# KiCad board IO_SDR_1.1.kicad_pcb (continued)
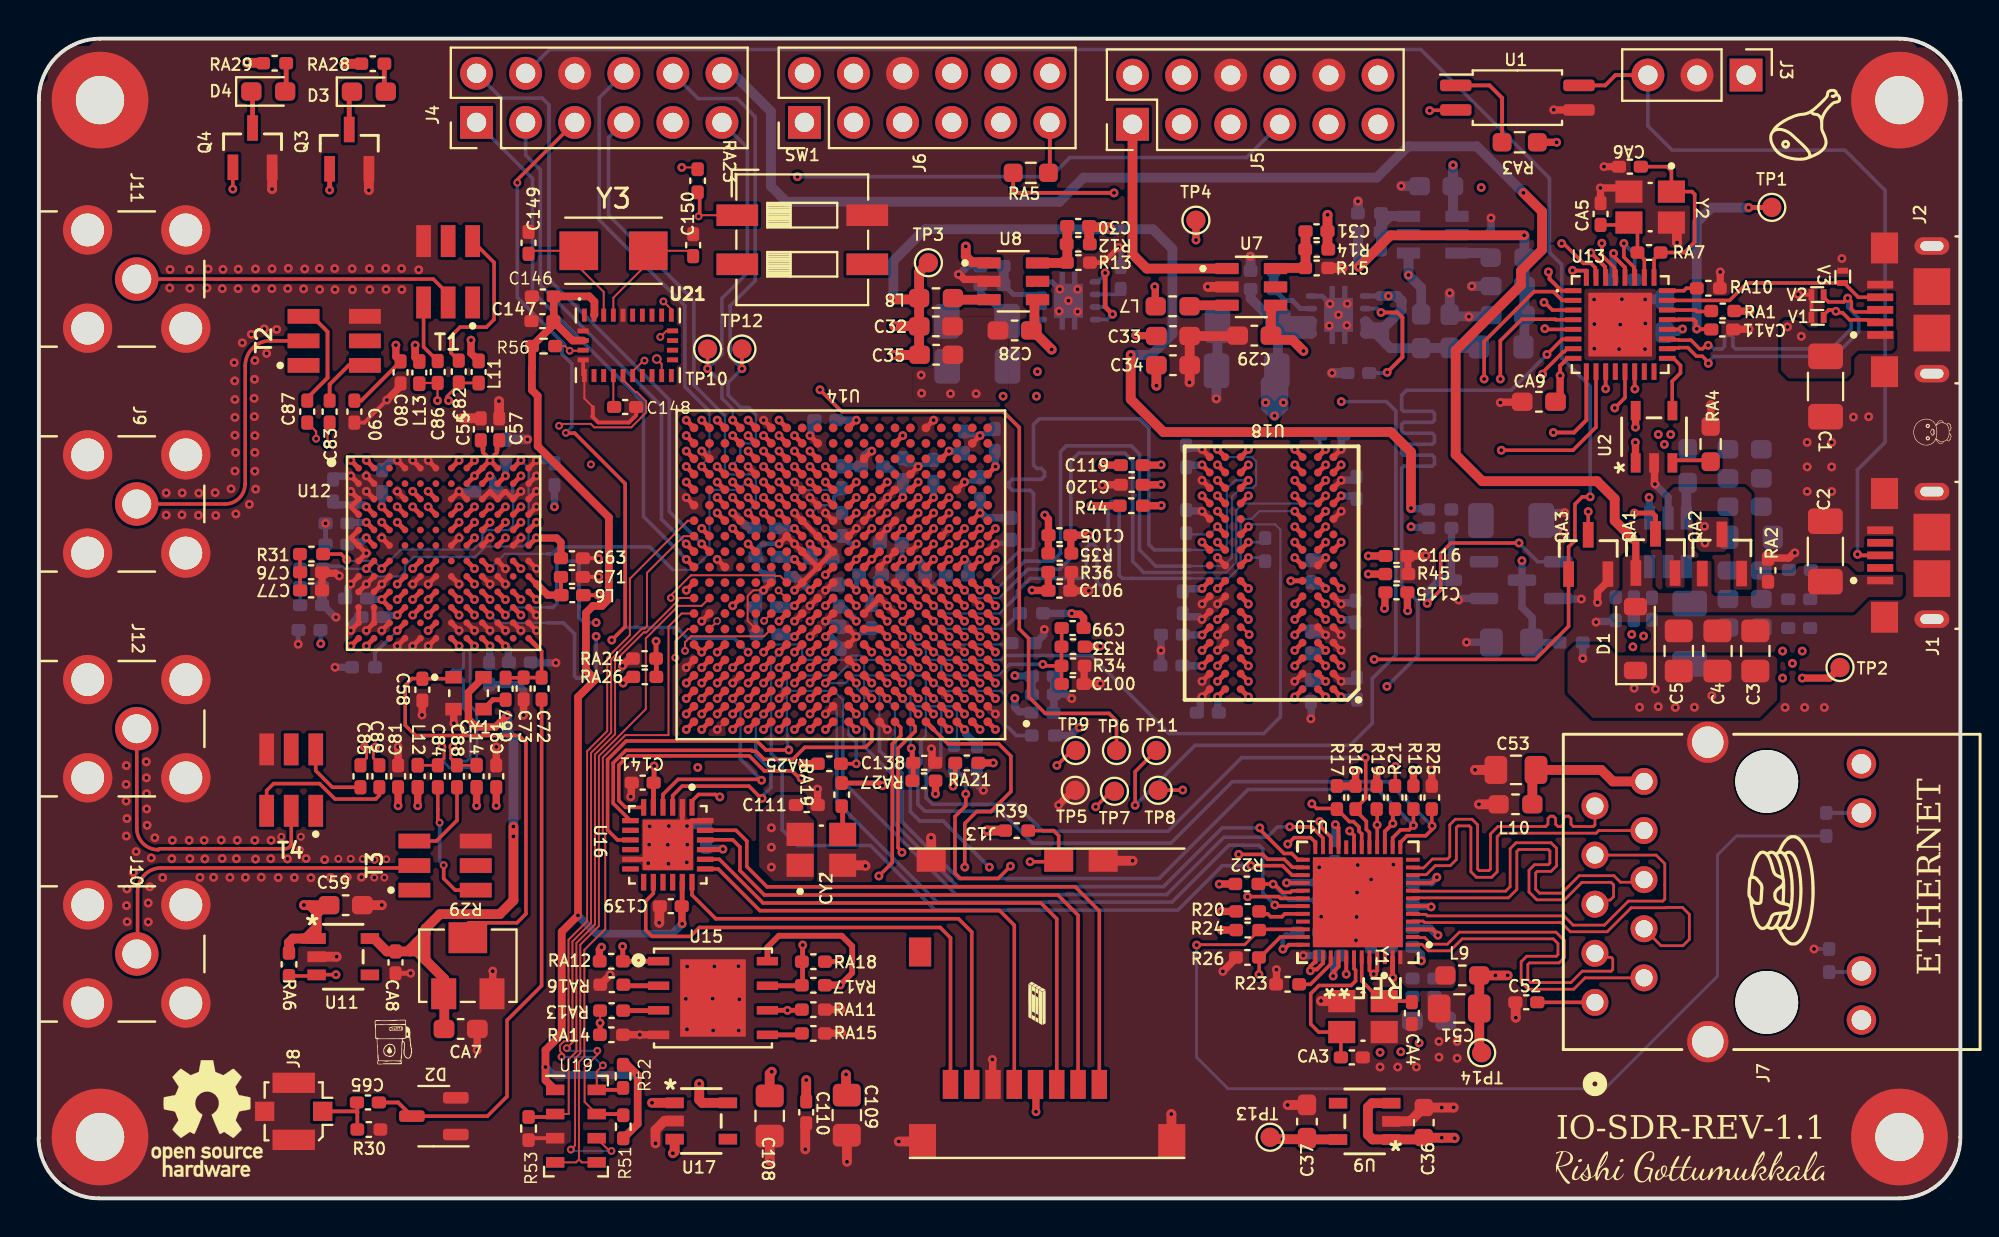
[diagram p0: board, top side]
## Routing (per net, layer and track width the routed paths; a pad name or vN(x,y) marks a point on that pad's centre or on a via; arc(x,y) is an arc through that point) (continued)
/Sheet3/TX2A_N: length 9.5
  Top.Cu w0.142: 21.1,41.46 21.81,42.17 22.76,42.17 L11.1
  Top.Cu w0.254: 21.35,37.77 v1(21.75,38.17)
  In5_Sig2.Cu w0.113: v1(21.75,38.17) 21.75,38.18 21.98,38.41 21.98,38.87 22.68,39.56 22.68,41.62 22.52,41.77 22.24,41.77 22.17,41.69 22.17,41.22 22.08,41.13 21.82,41.13 21.74,41.22 21.74,41.64 21.61,41.77 21.27,41.77 21.1,41.59 21.1,41.46 21.21,41.34 v1(21.21,41.26)
/Sheet3/TX2A_P: length 9.5
  Top.Cu w0.113: v1(20.64,41.26) 20.64,42.16 C86.1 19.73,42.17
  Top.Cu w0.254: 22.15,37.77 v1(22.55,38.17)
  In5_Sig2.Cu w0.113: v1(22.55,38.17) 22.55,38.18 22.33,38.41 22.33,38.73 23.02,39.42 23.02,41.76 22.67,42.11 21.13,42.11 20.75,41.73 20.75,41.46 20.64,41.34 v1(20.64,41.26)
/Sheet3/UB1: length 16.9
  Top.Cu w0.186: J11.1 20.42,47.55 21.19,46.78 T1.2
/Sheet3/UB2: length 16.1
  Top.Cu w0.186: J9.1 9.65,35.91 arc(10.38,36.21) 10.68,36.94 10.69,36.95 10.69,43.05 arc(11.07,43.98) 12,44.36 12.01,44.35 T2.2
/Sheet3/UB3: length 18.3
  Top.Cu w0.186: T3.2 19.32,17.09 6.35,17.09 arc(5.48,16.73) 5.12,15.86 5.12,12.68 arc(5.11,12.65) J10.1
/Sheet3/UB4: length 15.6
  Top.Cu w0.186: J12.1 5.08,19.14 arc(5.4,18.36) 6.19,18.03 6.24,18.08 12.76,18.08 arc(12.96,18.16) 13.07,18.34 13.07,20.04 T4.2
/Sheet3/XO: length 9.9
  Top.Cu w0.186: CA6.1 84.26,53.36 84.49,53.13 Y2.1 85.55,52.07 85.69,51.93 85.69,49.47 85.15,48.92 RA7.2 83.59,48.58 U13.25
/Sheet3/XT1: length 4.2
  Top.Cu w0.186: 24.16,26.92 25.08,26.92 C73.1 26.02,26.93 26.02,28.3 25.75,28.57
  Top.Cu w0.254: 25.35,28.97 25.75,28.57
/Sheet4/CMDB0: length 28
  Top.Cu w0.186: J13.3 52.68,14.45 51.86,15.28 37.48,15.28 35.22,17.54 U16.20
/Sheet4/CMDB1: length 25.4
  Top.Cu w0.186: J13.5 50.48,14.12 49.73,14.88 37.32,14.88 35.16,17.04 U16.19
/Sheet4/DAT0: length 23.8
  Top.Cu w0.186: J13.7 48.28,13.77 47.6,14.46 35.04,14.46 33.81,15.69 U16.18
/Sheet4/DAT1: length 26.5
  Top.Cu w0.186: U16.14 31.81,15.77 31.41,15.38 31.41,13.88 31.74,13.55 33.73,13.55 34.19,14.01 46.65,14.01 47.18,13.48 J13.8
/Sheet4/DAT2: length 31.9
  Top.Cu w0.186: U16.23 36.09,19.04 36.65,18.48 36.65,17.15 37.69,16.11 53.64,16.11 54.88,14.86 J13.1
/Sheet4/DAT3: length 30.4
  Top.Cu w0.186: U16.22 34.5,18.55 35.92,18.55 36.29,18.17 36.29,16.95 37.55,15.69 52.74,15.69 53.78,14.64 J13.2
/Sheet4/DDR-CK_N: length 34
  Top.Cu w0.254: U14.M2 v1(48.71,33.85) ; U18.K7 v1(62.6,33.94)
  In5_Sig2.Cu w0.113: v1(48.71,33.85) 48.71,33.76 49.11,33.37 49.11,32.63 49.37,32.37 49.65,32.37 50.33,33.05 52.45,33.05 52.53,33.13 52.53,35.76 52.82,36.04 53.6,36.04 53.89,35.76 53.89,33.18 54.02,33.05 54.84,33.05 54.92,33.13 54.92,35.53 55.2,35.81 55.89,35.81 56.18,35.53 56.18,32.81 56.26,32.72 56.78,32.72 56.86,32.81 56.86,34.99 57.15,35.28 57.9,35.28 58.23,34.95 58.23,32.81 58.31,32.72 59.77,32.72 59.78,32.71 61.29,32.71 61.4,32.81 61.4,33.69 61.65,33.94 v1(62.6,33.94)
  Bottom.Cu w0.142: 63.44,34.16 63.22,33.94 62.6,33.94 v1(62.6,33.94)
/Sheet4/DDR-CK_P: length 33.9
  Top.Cu w0.254: U18.J7 v1(62.6,33.14) ; U14.L2 v1(48.71,33.05)
  In5_Sig2.Cu w0.113: v1(48.71,33.05) 48.77,32.99 48.77,32.48 49.23,32.02 49.79,32.02 50.47,32.7 52.59,32.7 52.88,32.99 52.88,35.61 52.96,35.7 53.46,35.7 53.54,35.61 53.54,33.03 53.87,32.7 54.98,32.7 55.26,32.99 55.26,35.39 55.35,35.47 55.75,35.47 55.83,35.39 55.83,32.66 56.12,32.38 56.92,32.38 57.21,32.66 57.21,34.85 57.29,34.93 57.75,34.93 57.88,34.81 57.88,32.66 58.17,32.38 59.77,32.38 59.78,32.39 61.42,32.39 61.71,32.68 61.71,33.56 61.78,33.62 62.35,33.62 62.53,33.44 62.53,33.2 v1(62.6,33.14)
  Bottom.Cu w0.142: 63.44,32.97 63.27,33.14 v1(62.6,33.14)
/Sheet4/DDR-DQ0: length 30.8
  Top.Cu w0.254: v1(65,29.14) U18.E3 ; U14.C3 v1(47.91,25.85)
  In5_Sig2.Cu w0.113: v1(47.91,25.85) 47.91,25.76 47.51,25.37 47.51,23.79 48.23,23.07 63.39,23.07 66.11,25.79 66.11,28.41 66.43,28.74 66.76,28.74 67,28.97 67,30.1 66.76,30.34 66.42,30.34 65.27,29.2 65.06,29.2 v1(65,29.14)
/Sheet4/DDR-DQ1: length 30.9
  Top.Cu w0.254: U14.B3 v1(47.91,25.05) ; U18.F7 v1(62.6,29.94)
  In5_Sig2.Cu w0.113: v1(62.6,29.94) 62.2,29.94 61.97,29.71 61.97,27.26 61.89,27.19 61.59,27.19 61.41,27.37 61.41,27.76 61.23,27.94 59.81,27.94 59.61,27.74 59.61,27.1 59.53,27.03 59.29,27.03 59.16,27.16 59.16,28.17 59.03,28.3 58.86,28.3 58.73,28.17 58.73,27.15 58.6,27.02 58.43,27.02 58.3,27.15 58.3,27.73 58.17,27.86 58,27.86 57.87,27.73 57.87,27.15 57.74,27.02 57.57,27.02 57.44,27.15 57.44,28.09 57.31,28.22 57.14,28.22 57.01,28.09 57.01,27.15 56.88,27.02 56.71,27.02 56.58,27.15 56.58,28.09 56.45,28.22 56.27,28.22 56.15,28.09 56.15,27.16 56.02,27.03 55.91,27.03 55.26,27.67 54.1,27.67 53.99,27.56 53.99,26.96 53.81,26.77 51.26,26.77 51.07,26.96 51.07,27.42 50.97,27.52 50.21,27.52 49.95,27.26 49.95,26.52 49.68,26.25 48.51,26.25 48.31,26.05 48.31,25.68 48.2,25.58 48.2,25.46 48.07,25.33 48.07,25.3 47.91,25.14 v1(47.91,25.05)
/Sheet4/DDR-DQ2: length 29.4
  Top.Cu w0.254: U14.A2 v1(48.71,24.25) ; U18.F2 v1(66.6,29.94)
  In5_Sig2.Cu w0.113: v1(48.71,24.25) 48.76,24.19 48.76,23.61 48.99,23.38 49.43,23.38 49.56,23.51 49.56,23.55 49.69,23.68 49.87,23.68 49.99,23.55 49.99,23.49 50.12,23.36 50.3,23.36 50.43,23.49 50.43,23.83 50.55,23.96 50.73,23.96 50.86,23.83 50.86,23.49 50.99,23.36 51.16,23.36 51.29,23.49 51.29,23.83 51.42,23.96 51.59,23.96 51.72,23.83 51.72,23.49 51.85,23.36 52.02,23.36 52.15,23.49 52.15,23.83 52.28,23.96 52.45,23.96 52.58,23.83 52.58,23.51 52.71,23.38 63.19,23.38 65.88,26.07 65.88,26.65 65.77,26.76 65.51,26.76 65.4,26.87 65.4,27.02 65.51,27.13 65.77,27.13 65.88,27.24 65.88,27.39 65.77,27.5 65.51,27.5 65.4,27.61 65.4,27.75 65.51,27.87 65.77,27.87 65.88,27.98 65.88,28.12 65.77,28.23 65.51,28.23 65.4,28.34 65.4,28.49 65.51,28.6 65.77,28.6 65.88,28.71 65.88,29.22 v1(66.6,29.94)
/Sheet4/DDR-DQ3: length 29.9
  Top.Cu w0.254: v1(61,29.94) U18.F8 ; U14.A4 v1(47.11,24.25)
  In5_Sig2.Cu w0.113: v1(61,29.94) 60.92,29.94 60.52,30.34 59.81,30.34 59.45,30.69 59.45,31.2 59.29,31.36 54.98,31.36 54.88,31.26 54.88,29.75 54.76,29.63 54.2,29.63 54.04,29.78 54.04,30.85 53.36,31.53 52.8,31.53 51.86,30.59 51.86,30.44 52.34,29.96 53,29.96 53.43,29.52 53.43,29.07 53.21,28.84 51.7,28.84 51.56,28.98 51.56,29.83 51.43,29.96 51.15,29.96 50.89,29.7 50.89,29.12 50.62,28.84 50.11,28.84 49.92,28.65 48.55,28.65 48.31,28.41 48.31,26.48 48.07,26.25 47.85,26.25 47.85,26.25 47.75,26.25 47.51,26.01 47.51,25.68 47.27,25.45 46.95,25.45 46.71,25.21 46.71,25.11 46.71,25.11 46.71,24.31 46.78,24.25 v1(47.11,24.25)
/Sheet4/DDR-DQ4: length 30.4
  Top.Cu w0.254: v1(64.79,31.94) U18.H3 ; U14.D3 v1(47.91,26.65)
  In5_Sig2.Cu w0.113: v1(47.91,26.65) 47.9,26.66 47.59,26.66 47.51,26.74 47.51,28.41 47.75,28.65 48.07,28.65 48.31,28.88 48.31,29.21 48.55,29.45 50.18,29.45 52.65,31.91 54.55,31.91 54.8,31.65 59.7,31.65 59.8,31.55 59.8,31.21 59.87,31.14 60.52,31.14 60.6,31.22 60.6,31.7 60.83,31.94 62.9,31.94 63.47,32.51 67.9,32.51 67.96,32.44 67.96,32.09 67.81,31.94 v1(64.79,31.94)
/Sheet4/DDR-DQ5: length 29.6
  Top.Cu w0.254: v1(61,31.54) U18.H8 ; U14.D1 v1(49.51,26.65)
  In5_Sig2.Cu w0.113: v1(49.51,26.65) 49.51,26.65 49.18,26.65 49.11,26.72 49.11,27.78 49.18,27.85 49.72,27.85 50.37,28.5 52.32,28.5 52.42,28.39 52.42,27.49 52.52,27.39 53.17,27.39 53.27,27.49 53.27,28.39 53.37,28.5 54.19,28.5 54.3,28.6 54.3,29.19 54.4,29.3 55.13,29.3 55.24,29.4 55.24,30.97 55.34,31.07 55.8,31.07 55.93,30.94 55.93,30.68 56.05,30.56 56.23,30.56 56.36,30.68 56.36,30.94 56.49,31.07 56.66,31.07 56.79,30.94 56.79,30.68 56.92,30.56 57.09,30.56 57.22,30.68 57.22,30.94 57.35,31.07 57.52,31.07 57.65,30.94 57.65,30.69 57.78,30.56 57.95,30.56 58.08,30.69 58.08,30.94 58.21,31.07 59.05,31.07 59.16,30.97 59.16,29.96 59.58,29.54 60.56,29.54 60.56,29.54 61.16,29.54 62.07,30.45 62.07,30.68 62,30.74 61.57,30.74 61.16,30.34 60.84,30.34 60.6,30.57 60.6,30.9 60.83,31.14 62.08,31.14 62.15,31.2 62.15,31.62 62.08,31.68 61.24,31.68 61.09,31.54 v1(61,31.54)
/Sheet4/DDR-DQ6: length 30.3
  Top.Cu w0.254: U18.G2 v1(66.6,30.74) ; U14.C1 v1(49.51,25.85)
  In5_Sig2.Cu w0.113: v1(49.51,25.85) 49.56,25.9 49.79,25.9 50.29,26.4 54.2,26.4 54.32,26.53 54.32,27.24 54.43,27.34 55.11,27.34 55.72,26.73 59.31,26.73 59.61,26.43 59.61,25.74 59.8,25.54 61.32,25.54 61.51,25.74 61.51,26.79 61.58,26.86 62.06,26.86 62.12,26.79 62.12,25.74 62.33,25.54 62.76,25.54 63.39,26.17 63.39,28.51 63.16,28.74 62.32,28.74 62.2,28.86 62.2,29.41 62.33,29.55 62.98,29.55 63.19,29.75 63.19,30.41 63.22,30.45 63.22,31.11 63.54,31.43 65.91,31.43 v1(66.6,30.74)
/Sheet4/DDR-DQ7: length 29.6
  Top.Cu w0.254: U18.H7 v1(62.6,31.54) ; U14.E1 v1(49.51,27.45)
  In5_Sig2.Cu w0.113: v1(49.51,27.45) 49.6,27.45 49.77,27.62 49.9,27.62 50.49,28.21 51.17,28.21 51.4,27.98 51.4,27.19 51.53,27.06 53.41,27.06 53.59,27.24 53.59,27.7 53.89,28 55.36,28 55.47,28.1 55.47,28.89 55.6,29.02 55.94,29.02 56.07,29.15 56.07,30.14 56.2,30.27 56.37,30.27 56.5,30.14 56.5,28.64 56.63,28.51 56.8,28.51 56.93,28.64 56.93,30.14 57.06,30.27 57.23,30.27 57.36,30.14 57.36,28.86 57.49,28.73 57.66,28.73 57.79,28.86 57.79,30.14 57.92,30.27 58.09,30.27 58.22,30.14 58.22,28.95 58.35,28.82 58.52,28.82 58.65,28.95 58.65,29.53 58.78,29.66 58.95,29.66 59.08,29.53 59.08,29.15 59.21,29.02 59.38,29.02 59.66,28.74 61.54,28.74 61.66,28.86 61.66,29.72 62.28,30.34 62.76,30.34 63,30.57 63,31.47 62.93,31.53 62.6,31.53 v1(62.6,31.54)
/Sheet4/DDR-DQ8: length 27.4
  Top.Cu w0.254: U18.D7 v1(62.6,28.34) ; U14.E2 v1(48.71,27.45)
  In2_Sig1.Cu w0.113: v1(62.6,28.34) 63.63,28.34 64.03,28.74 65.16,28.74 65.4,28.5 65.4,28.17 65.16,27.94 64.27,27.94 64.15,27.82 64.15,25.87 ; 59.2,24.29 58.69,23.78 52.29,23.78 51.66,24.42 51.66,26.78 50.59,27.85 49.11,27.85 v1(48.71,27.45) ; 59.2,24.3 59.33,24.43 62.71,24.43 64.15,25.87
/Sheet4/DDR-DQ9: length 28.1
  Top.Cu w0.254: U14.E3 v1(47.91,27.45) ; v1(65,27.54) U18.C3
  In2_Sig1.Cu w0.113: v1(65,27.54) 64.49,27.54 64.41,27.46 64.41,25.51 63.04,24.14 59.64,24.14 58.93,23.43 51.48,23.43 51.28,23.63 51.28,23.79 51.15,23.92 50.36,23.92 50.23,24.04 50.23,24.22 50.36,24.35 51.24,24.35 51.37,24.48 51.37,24.65 51.24,24.78 50.36,24.78 50.23,24.91 50.23,25.08 50.36,25.21 51.15,25.21 51.28,25.34 51.28,26.35 51.15,26.48 50.34,26.48 49.76,27.05 48.39,27.05 47.99,27.45 v1(47.91,27.45)
/Sheet4/DDR-DQ10: length 28.3
  Top.Cu w0.254: v1(61,27.54) U18.C8 ; U14.G3 v1(47.91,29.05)
  In2_Sig1.Cu w0.113: v1(47.91,29.05) 47.91,29.13 48.31,29.53 48.31,30.01 48.55,30.25 49.67,30.25 49.96,30.53 49.96,31.56 50.06,31.66 50.79,31.66 50.87,31.58 50.87,31.1 50.97,31 51.83,31 51.96,31.13 51.96,31.46 52.07,31.57 53.37,31.57 53.99,30.95 54.55,30.95 54.55,30.95 54.68,30.95 54.84,30.78 54.84,30.52 55.01,30.35 55.23,30.35 55.4,30.52 55.4,30.92 55.57,31.09 55.79,31.09 55.96,30.92 55.96,30.52 56.13,30.35 56.35,30.35 56.52,30.52 56.52,30.92 56.69,31.09 56.91,31.09 57.08,30.92 57.08,30.52 57.24,30.35 57.47,30.35 57.63,30.52 57.63,30.78 57.8,30.95 58.82,30.95 59.68,30.08 59.68,29.78 59.92,29.54 61.17,29.54 61.69,30.06 62.05,30.06 62.2,29.9 62.2,29.15 61.79,28.74 60.73,28.74 60.6,28.61 60.6,28.07 60.74,27.94 61.6,27.94 61.66,27.87 61.66,27.3 61.6,27.24 61.3,27.24 v1(61,27.54)
/Sheet4/DDR-DQ11: length 27.6
  Top.Cu w0.254: U14.H3 v1(47.91,29.85) ; U18.C2 v1(66.6,27.54)
  In2_Sig1.Cu w0.113: v1(47.91,29.85) 47.83,29.85 47.43,30.25 46.95,30.25 46.71,30.48 46.71,31.95 47.42,32.65 55.8,32.65 56.36,32.09 63.2,32.09 64.15,31.14 65.18,31.14 66.08,30.24 66.08,28.05 v1(66.6,27.54)
/Sheet4/DDR-DQ12: length 28
  Top.Cu w0.254: U18.A7 v1(62.6,25.94) ; U14.J3 v1(47.91,30.65)
  In2_Sig1.Cu w0.113: v1(62.6,25.94) 63.26,25.94 63.54,26.22 63.54,27.7 63.3,27.94 62.11,27.94 61.92,28.13 61.92,28.53 62.13,28.74 63.57,28.74 64.13,29.3 64.13,29.83 63.88,30.08 63.57,30.08 63.42,29.93 63.42,29.64 63.35,29.58 63.06,29.58 63,29.64 63,30.2 62.86,30.34 59.91,30.34 58.87,31.38 55.88,31.38 55.26,31.99 48.48,31.99 48.31,31.82 48.31,31.13 47.91,30.73 v1(47.91,30.65)
/Sheet4/DDR-DQ13: length 27.8
  Top.Cu w0.254: U18.A2 v1(66.6,25.94) ; U14.H2 v1(48.71,29.85)
  In2_Sig1.Cu w0.113: v1(48.71,29.85) 48.71,29.76 48.53,29.58 48.53,29.44 48.31,29.21 48.31,28.09 48.08,27.85 47.74,27.85 47.51,27.62 47.51,27.28 47.75,27.05 48.07,27.05 48.31,26.81 48.31,26.48 48.55,26.25 48.88,26.25 49.11,26.01 49.11,23.97 49.98,23.1 59.25,23.1 60,23.85 63.66,23.85 65.74,25.94 v1(66.6,25.94)
/Sheet4/DDR-DQ14: length 28.1
  Top.Cu w0.254: v1(61,26.74) U18.B8 ; U14.H1 v1(49.51,29.85)
  In2_Sig1.Cu w0.113: v1(49.51,29.85) 49.56,29.9 50,29.9 50.44,30.34 52.32,30.34 52.95,29.7 53.24,29.7 53.41,29.54 53.41,29.03 53.58,28.87 53.8,28.87 53.97,29.03 53.97,30.49 54.14,30.66 54.36,30.66 54.53,30.49 54.53,29.21 54.69,29.04 54.92,29.04 55.09,29.21 55.09,29.89 55.25,30.06 55.48,30.06 55.64,29.89 55.64,29.14 55.81,28.97 56.03,28.97 56.2,29.14 56.2,29.89 56.37,30.06 56.59,30.06 56.76,29.89 56.76,29.14 56.93,28.97 57.15,28.97 57.32,29.14 57.32,29.89 57.48,30.06 57.71,30.06 57.88,29.89 57.88,29.03 58.04,28.87 58.27,28.87 58.43,29.03 58.43,29.54 58.6,29.7 59.15,29.7 59.48,29.37 59.48,27.9 59.37,27.8 58.08,27.8 57.93,27.65 57.93,27.34 58.13,27.14 60.6,27.14 v1(61,26.74)
/Sheet4/DDR-DQ15: length 28.4
  Top.Cu w0.254: U14.J1 v1(49.51,30.65) ; v1(65,25.94) U18.A3
  In2_Sig1.Cu w0.113: v1(65,25.94) 65.06,25.94 65.06,26 65.65,26.59 65.65,29.09 65.21,29.54 64.83,29.54 63.24,31.14 59.88,31.14 59.3,31.71 56.1,31.71 55.52,32.29 47.97,32.29 47.51,31.83 47.51,30.48 47.75,30.25 48.08,30.25 48.31,30.49 48.31,30.81 48.55,31.05 49.03,31.05 49.43,30.65 v1(49.51,30.65)
/Sheet4/DDR-LDM: length 31.7
  Top.Cu w0.142: U18.E7 62.26,29.54 v1(62.64,29.16)
  Top.Cu w0.254: U14.A1 v1(49.51,24.25)
  In5_Sig2.Cu w0.113: v1(49.51,24.25) 53.17,24.25 53.59,23.84 58.91,23.84 59.08,24 59.08,24.37 59.24,24.54 59.47,24.54 59.63,24.37 59.63,23.84 59.8,23.67 60.02,23.67 60.19,23.84 60.19,24.37 60.36,24.54 60.58,24.54 60.75,24.37 60.75,23.84 60.92,23.67 61.14,23.67 61.31,23.84 61.31,24.37 61.48,24.54 61.7,24.54 61.87,24.37 61.87,24 62.03,23.84 62.88,23.84 64.33,25.28 64.33,29.32 64.55,29.54 65.3,29.54 65.55,29.79 65.55,31 65.39,31.15 63.68,31.15 63.45,30.93 63.45,30.22 63.41,30.18 63.41,29.47 63.09,29.14 62.65,29.14 v1(62.64,29.16)
/Sheet4/DDR-LDQS_N: length 30.8
  Top.Cu w0.254: U14.B2 v1(48.71,25.05) ; v1(65,30.74) U18.G3
  In5_Sig2.Cu w0.113: v1(48.71,25.05) 49.11,25.45 49.68,25.45 50.08,25.04 50.41,25.04 50.53,25.16 50.53,25.28 50.65,25.4 50.8,25.4 50.92,25.28 50.92,25.16 51.04,25.04 51.2,25.04 51.32,25.16 51.32,25.5 51.44,25.62 51.6,25.62 51.71,25.5 51.71,25.16 51.83,25.04 52.15,25.04 52.26,25.15 54.29,25.15 54.45,25.31 54.45,25.8 54.81,26.16 55.3,26.16 55.66,25.8 55.66,24.8 55.82,24.65 56.03,24.65 56.19,24.8 56.19,26.07 56.55,26.42 57.04,26.42 57.4,26.07 57.4,24.8 57.56,24.65 57.77,24.65 57.92,24.8 57.92,25.94 58.28,26.3 58.78,26.3 59.14,25.94 59.14,25.31 59.3,25.15 62.94,25.15 63.66,25.87 63.66,29.84 64.33,30.51 64.76,30.51 64.98,30.74 v1(65,30.74)
/Sheet4/DDR-LDQS_P: length 30.8
  Top.Cu w0.254: v1(65,29.94) U18.F3 ; U14.C2 v1(48.71,25.85)
  In5_Sig2.Cu w0.113: v1(48.71,25.85) 48.71,25.76 48.43,25.47 48.43,25.33 48.31,25.21 48.31,24.88 48.55,24.65 50.09,24.65 50.09,24.65 50.14,24.7 52.29,24.7 52.4,24.81 54.44,24.81 54.8,25.17 54.8,25.66 54.95,25.82 55.16,25.82 55.32,25.66 55.32,24.66 55.68,24.3 56.17,24.3 56.53,24.66 56.53,25.92 56.69,26.08 56.9,26.08 57.06,25.92 57.06,24.66 57.42,24.3 57.91,24.3 58.27,24.66 58.27,25.8 58.43,25.96 58.64,25.96 58.79,25.8 58.79,25.17 59.15,24.81 63.09,24.81 64,25.72 64,29.7 64.47,30.17 64.76,30.17 64.98,29.94 v1(65,29.94)
/Sheet4/DDR-RESET: length 48.5
  Top.Cu w0.254: U18.T2 v1(66.6,38.74) ; U14.B4 v1(47.11,25.05)
  In2_Sig1.Cu w0.113: v1(47.11,25.05) 47.11,24.97 47.51,24.57 47.51,23.56 49.5,21.57 52.88,21.57 53.84,22.54 59.81,22.54 60.78,23.52 64.19,23.52 64.46,23.78 66.01,23.78 67.74,25.51 71.75,25.51 72.61,26.38 72.61,36.15 70.43,38.34 67,38.34 v1(66.6,38.74)
  Bottom.Cu w0.186: v1(66.6,38.74) 66.3,39.04 66.3,39.48 66.27,39.51
/Sheet4/DDR-UDM: length 27.2
  Top.Cu w0.254: v1(65,28.34) U18.D3 ; U14.F1 v1(49.51,28.25)
  In2_Sig1.Cu w0.113: v1(65,28.34) 64.21,28.34 63.87,28 63.87,26.07 62.55,24.74 59.24,24.74 59.08,24.58 54.46,24.58 54.1,24.95 54.1,27.01 53.94,27.16 52.85,27.16 52.77,27.09 52.77,24.5 52.7,24.42 52.14,24.42 52.06,24.5 52.06,26.86 50.67,28.25 v1(49.51,28.25)
/Sheet4/DDR-UDQS_N: length 27.3
  Top.Cu w0.254: U18.B7 v1(62.6,26.74) ; U14.F2 v1(48.71,28.25)
  In2_Sig1.Cu w0.113: v1(48.71,28.25) 49.11,28.65 49.69,28.65 49.93,28.89 50.99,28.89 51.71,28.17 53.59,28.17 54.59,27.17 55.81,27.17 56.09,27.46 56.09,28.2 56.24,28.35 57.03,28.35 57.16,28.22 57.16,26.47 57.08,26.39 55.51,26.39 55.22,26.1 55.22,25.3 55.51,25.01 58.32,25.01 58.61,25.3 58.61,26.14 58.69,26.22 59.22,26.22 59.3,26.14 59.3,25.38 59.67,25.01 61.68,25.01 62.02,25.36 62.02,26.7 62.24,26.91 62.36,26.91 62.53,26.74 v1(62.6,26.74)
/Sheet4/DDR-UDQS_P: length 27.3
  Top.Cu w0.254: U18.C7 v1(62.6,27.54) ; U14.G2 v1(48.71,29.05)
  In2_Sig1.Cu w0.113: v1(62.6,27.54) 62.58,27.54 62.31,27.26 62.1,27.26 61.68,26.84 61.68,25.5 61.54,25.36 59.81,25.36 59.64,25.53 59.64,26.28 59.36,26.56 58.55,26.56 58.26,26.28 58.26,25.44 58.18,25.36 55.65,25.36 55.57,25.44 55.57,25.96 55.65,26.04 57.22,26.04 57.51,26.33 57.51,28.36 57.17,28.7 56.1,28.7 55.75,28.35 55.75,27.6 55.66,27.52 54.73,27.52 53.73,28.52 51.85,28.52 51.14,29.23 49.89,29.23 49.68,29.45 49.11,29.45 v1(48.71,29.05)
/Sheet4/H6: length 13.8
  Top.Cu w0.186: C100.1 52.93,26.61 R34.1 ; R34.1 R33.2 52.94,28.54 C99.2 ; R34.1 52.04,27.54 v1(51.96,27.62)
  Top.Cu w0.254: v1(44.71,29.85) U14.H6
  Bottom.Cu w0.113: v1(44.71,29.85) 44.71,29.76 45.11,29.37 45.11,28.89 45.35,28.65 45.67,28.65 45.91,28.41 45.91,28.09 46.15,27.85 46.47,27.85 46.71,27.61 46.71,27.29 46.95,27.05 49.68,27.05 50.18,27.56
  Bottom.Cu w0.186: v1(51.96,27.62) 50.25,27.62 50.18,27.56
/Sheet4/P6: length 4.5
  Top.Cu w0.254: U14.P6 v1(45.51,35.45)
  Top.Cu w0.381: 52.25,31.43 52.22,31.46 52.21,31.44 51.42,31.44 v1(51.4,31.46) ; 52.25,31.43 C106.1 ; 52.25,31.43 52.25,32.39 R36.1 ; v1(52.06,35.34) 52.06,35.32 52.25,35.13 52.25,34.3 52.25,34.29 52.25,33.36 R35.2
/Sheet4/PS-DDR-A0: length 34.2
  Top.Cu w0.254: v1(65,36.34) U18.N3 ; U14.N2 v1(48.71,34.65)
  In5_Sig2.Cu w0.113: v1(48.71,34.65) 48.71,34.73 49.36,35.38 50.45,35.38 50.71,35.64 50.71,37.46 50.58,37.59 50.31,37.59 50.18,37.72 50.18,37.89 50.31,38.02 51.34,38.02 51.47,38.15 51.47,38.32 51.34,38.45 50.84,38.45 50.71,38.58 50.71,39.4 50.82,39.52 55.93,39.52 56.84,40.42 59.53,40.42 59.68,40.27 59.68,36.89 59.83,36.74 60.04,36.74 60.04,36.74 61.27,36.74 61.69,37.16 61.69,38.93 62.3,39.55 63.63,39.55 64.33,38.85 64.33,37.7 64.5,37.54 65.77,37.54 65.91,37.4 65.91,36.48 65.76,36.34 v1(65,36.34)
/Sheet4/PS-DDR-A1: length 35
  Top.Cu w0.254: U18.P7 v1(62.6,37.14) ; U14.K2 v1(48.71,31.45)
  Bottom.Cu w0.113: 59.58,33.54 61.21,33.54 61.49,33.82 61.49,36.71 61.91,37.14 v1(62.6,37.14) ; v1(48.71,31.45) 50.18,32.92
  Bottom.Cu w0.186: 50.18,32.92 50.8,33.54 51.37,33.54 51.48,33.65 51.48,36.45 51.31,36.62 50.38,36.62 50.21,36.79 50.21,37.02 50.38,37.19 51.88,37.19 52.05,37.36 52.05,37.58 51.88,37.76 51.65,37.76 51.48,37.93 51.48,40.01 51.78,40.32 56.97,40.32 57.45,39.84 57.45,33.82 57.73,33.54 59.58,33.54
/Sheet4/PS-DDR-A2: length 34.2
  Top.Cu w0.254: U14.M3 v1(47.91,33.85) ; v1(65,37.14) U18.P3
  In5_Sig2.Cu w0.113: v1(65,37.14) 64,37.14 63.93,37.2 63.93,38.76 63.56,39.14 62.25,39.14 61.91,38.8 61.91,37.06 61.61,36.76 61.61,36.27 61.28,35.94 59.7,35.94 59.19,36.45 59.19,38.95 58.91,39.23 58.34,39.23 58.18,39.06 58.18,38.72 58.01,38.55 57.79,38.55 57.62,38.72 57.62,39.96 57.45,40.13 57.23,40.13 57.06,39.96 57.06,38.13 56.89,37.96 56.67,37.96 56.5,38.13 56.5,39.06 56.34,39.23 52.32,39.23 51.91,38.82 51.91,37.46 51,36.55 51,35.52 50.53,35.05 49.35,35.05 49.11,34.81 49.11,34.34 49.02,34.25 48.4,34.25 48,33.85 v1(47.91,33.85)
/Sheet4/PS-DDR-A3: length 34.9
  Top.Cu w0.254: U14.K3 v1(47.91,31.45) ; U18.N2 v1(66.6,36.34)
  Bottom.Cu w0.113: 50.18,31.53 49.7,31.05 48.31,31.05 v1(47.91,31.45) ; v1(66.6,36.34) 66.2,35.94 62.31,35.94 61.97,35.6 61.97,32.91 61.44,32.37 59.58,32.37
  Bottom.Cu w0.186: 59.58,32.37 57.18,32.37 56.61,32.94 56.61,38.14 56.2,38.54 53.82,38.54 53.41,38.14 53.41,33.11 52.84,32.54 51.19,32.54 50.18,31.53
/Sheet4/PS-DDR-A4: length 35.9
  Top.Cu w0.254: U14.M4 v1(47.11,33.85) ; v1(61,37.14) U18.P8
  In5_Sig2.Cu w0.113: v1(61,37.14) 61,37.14 61.33,37.14 61.4,37.21 61.4,39.14 62.1,39.84 63.8,39.84 64.2,39.43 65.14,39.43 65.32,39.61 65.32,41.36 64.71,41.97 61.92,41.97 61.61,41.67 61.61,40.88 61.54,40.8 60.5,40.8 60.09,41.21 56.38,41.21 55.34,40.17 49.35,40.17 49.17,39.99 49.17,38.71 49.1,38.64 48.14,38.64 48.08,38.58 48.08,37.93 48.82,37.19 48.82,36.44 47.99,35.61 47.99,35.45 47.51,34.97 47.51,34.34 47.11,33.94 v1(47.11,33.85)
/Sheet4/PS-DDR-A5: length 33.9
  Top.Cu w0.254: U18.P2 v1(66.6,37.14) ; U14.L1 v1(49.51,33.05)
  In5_Sig2.Cu w0.113: v1(66.6,37.14) 67,36.74 68.27,36.74 68.37,36.64 68.37,34.44 68.27,34.34 66.16,34.34 65.36,35.14 64.46,35.14 62.86,36.74 62.42,36.74 62.07,36.39 62.07,34.53 61.88,34.34 59.81,34.34 59.66,34.18 59.66,33.36 59.58,33.28 58.72,33.28 58.61,33.4 58.61,36.19 58.44,36.36 51.76,36.36 51.58,36.18 51.58,33.77 51.48,33.66 50.13,33.66 v1(49.51,33.05)
/Sheet4/PS-DDR-A6: length 35.2
  Top.Cu w0.254: U14.L4 v1(47.11,33.05) ; v1(61,37.94) U18.R8
  In5_Sig2.Cu w0.113: v1(61,37.94) 60.6,38.34 60.6,39.56 60.99,39.95 61.74,39.95 61.84,40.06 61.84,40.37 61.77,40.45 60.34,40.45 59.96,40.83 56.71,40.83 55.7,39.81 49.5,39.81 49.4,39.71 49.4,39.15 49.47,39.08 49.99,39.08 50.06,39.01 50.06,38.43 49.99,38.36 48.86,38.36 48.66,38.16 48.66,37.78 49.09,37.35 49.94,37.35 50.01,37.28 50.01,36.98 49.94,36.92 49.17,36.92 49.07,36.81 49.07,36.46 49.14,36.38 50.18,36.38 50.28,36.29 50.28,36.01 50.18,35.92 48.62,35.92 48.31,35.61 48.31,34.48 48.07,34.25 47.75,34.25 47.51,34.01 47.51,33.55 47.61,33.45 48.24,33.45 48.31,33.38 48.31,32.17 48.08,31.94 47.59,31.94 47.11,32.42 v1(47.11,33.05)
/Sheet4/PS-DDR-A7: length 35.2
  Top.Cu w0.254: U18.R2 v1(66.6,37.94) ; U14.K4 v1(47.11,31.45)
  In5_Sig2.Cu w0.113: v1(47.11,31.45) 45.91,32.65 45.91,34.81 46.15,35.05 46.48,35.05 46.71,35.29 46.71,35.61 46.95,35.85 47.28,35.85 47.62,36.2 47.62,36.45 47.47,36.61 47.47,38.44 47.51,38.48 47.51,39.42 48.99,40.9 54.58,40.9 56.41,42.73 65.12,42.73 66.08,41.77 66.08,38.45 v1(66.6,37.94)
/Sheet4/PS-DDR-A8: length 33.3
  Top.Cu w0.254: U14.K1 v1(49.51,31.45) ; v1(61,38.74) U18.T8
  Bottom.Cu w0.113: v1(49.51,31.45) 50.18,32.12 ; v1(61,38.74) 61.08,38.74 61.48,38.34 62.76,38.34 63,38.1 63,36.92 62.82,36.74 62.2,36.74 61.75,36.29 61.75,33.14 61.31,32.7 59.58,32.7
  Bottom.Cu w0.186: 50.18,32.12 51.02,32.95 52.47,32.95 52.88,33.36 52.88,38.62 53.18,38.92 56.53,38.92 56.97,38.49 56.97,33.54 57.8,32.7 59.58,32.7
/Sheet4/PS-DDR-A9: length 35.2
  Top.Cu w0.254: U14.J4 v1(47.11,30.65) ; v1(65,37.94) U18.R3
  In5_Sig2.Cu w0.113: v1(47.11,30.65) 47.51,31.05 47.51,31.67 46.71,32.46 46.71,34.81 46.95,35.05 47.27,35.05 47.73,35.5 47.73,35.68 48.43,36.38 48.43,37.2 48.13,37.5 47.88,37.5 47.81,37.57 47.81,39.39 48.97,40.55 54.91,40.55 55.9,41.54 59.94,41.54 60.7,42.3 64.81,42.3 65.68,41.44 65.68,38.08 65.53,37.94 v1(65,37.94)
/Sheet4/PS-DDR-A10: length 32.9
  Top.Cu w0.254: U18.L7 v1(62.6,34.74) ; U14.F5 v1(46.31,28.25)
  Bottom.Cu w0.113: v1(46.31,28.25) 46.39,28.25 46.79,27.85 49.83,27.85 50.06,28.08 50.18,28.08 ; v1(62.6,34.74) 62.69,34.74 62.81,34.86 63.98,34.86 64.26,34.58 64.26,32.45
  Bottom.Cu w0.156: 64.26,25.51 64.26,32.45
  Bottom.Cu w0.186: 50.18,28.08 54.45,28.08 58.49,24.04 63.39,24.04 64.26,24.9 64.26,25.51
/Sheet4/PS-DDR-A11: length 36.6
  Top.Cu w0.254: U18.R7 v1(62.6,37.94) ; U14.G4 v1(47.11,29.05)
  In2_Sig1.Cu w0.113: v1(47.11,29.05) 47.03,29.05 46.63,29.45 46.15,29.45 45.91,29.69 45.91,30.01 45.67,30.25 45.35,30.25 45.11,30.49 45.11,34.9 44.87,35.14 44.87,35.85 45.11,36.08 45.11,38.01 47.47,40.37 54.49,40.37 54.66,40.54 54.66,41.52 54.82,41.69 55.05,41.69 55.21,41.52 55.21,40.43 55.38,40.26 55.6,40.26 55.77,40.43 55.77,41.52 55.94,41.69 56.16,41.69 56.33,41.52 56.33,40.54 56.5,40.37 61.49,40.37 61.89,39.96 61.89,38.64 v1(62.6,37.94)
/Sheet4/PS-DDR-A12: length 34.9
  Top.Cu w0.254: U18.N7 v1(62.6,36.34) ; U14.E4 v1(47.11,27.45)
  In5_Sig2.Cu w0.113: v1(62.6,36.34) 63.19,35.75 63.19,33.69 63.34,33.54 67.99,33.54 68.06,33.46 68.06,32.81 67.99,32.74 63.38,32.74 62.81,32.17 60.65,32.17 60.45,31.96 54.9,31.96 54.67,32.2 51.28,32.2 50.44,31.35 50.44,30.74 49.94,30.25 48.55,30.25 48.31,30.01 48.31,29.68 48.07,29.45 47.75,29.45 47.51,29.21 47.51,28.88 47.27,28.65 46.95,28.65 46.71,28.41 46.71,27.93 47.11,27.53 v1(47.11,27.45)
/Sheet4/PS-DDR-A13: length 37.2
  Top.Cu w0.254: v1(65,38.74) U18.T3 ; U14.D4 v1(47.11,26.65)
  In2_Sig1.Cu w0.113: v1(65,38.74) 63.8,37.54 62.1,37.54 61.54,38.1 61.54,38.82 60.51,39.85 47.45,39.85 45.91,38.31 45.91,36.09 45.68,35.85 45.35,35.85 45.11,35.61 45.11,35.28 45.35,35.05 45.67,35.05 45.91,34.81 45.91,34.01 45.91,34.01 45.91,30.48 46.15,30.25 46.47,30.25 46.71,30.01 46.71,29.68 46.95,29.45 47.33,29.45 47.51,29.27 47.51,28.08 47.27,27.85 46.95,27.85 46.71,27.61 46.71,27.13 47.11,26.73 v1(47.11,26.65)
/Sheet4/PS-DDR-A14: length 36.3
  Top.Cu w0.254: U14.F4 v1(47.11,28.25) ; U18.T7 v1(62.6,38.74)
  In2_Sig1.Cu w0.113: v1(62.6,38.74) 62.6,41.65 61.26,42.99 54.17,42.99 51.94,40.75 47.52,40.75 44.31,37.55 44.31,30.48 44.55,30.25 44.87,30.25 45.11,30.01 45.11,29.69 45.35,29.45 45.67,29.45 45.91,29.21 45.91,28.89 46.15,28.65 46.63,28.65 47.03,28.25 v1(47.11,28.25)